# Altium PCB TEBF0808ASCII.PcbDoc (part 9 of 10)
Units mm, origin at the board's own origin, x right, y up, seen from the top; angles counter-clockwise.
Board outline 170 x 170 mm, 16 copper layers (L 01, L 02 G, L 03 S, L 04 G, L 05 S, L 06 G, L 07 P, L 08 P, L 09 P, L 10 P, L 11 G, L 12 S, L 13 G, L 14 S, L 15 G, L 16), stack 1.774 mm thick; 609 components, 869 nets, 3941 pads, 2358 vias.
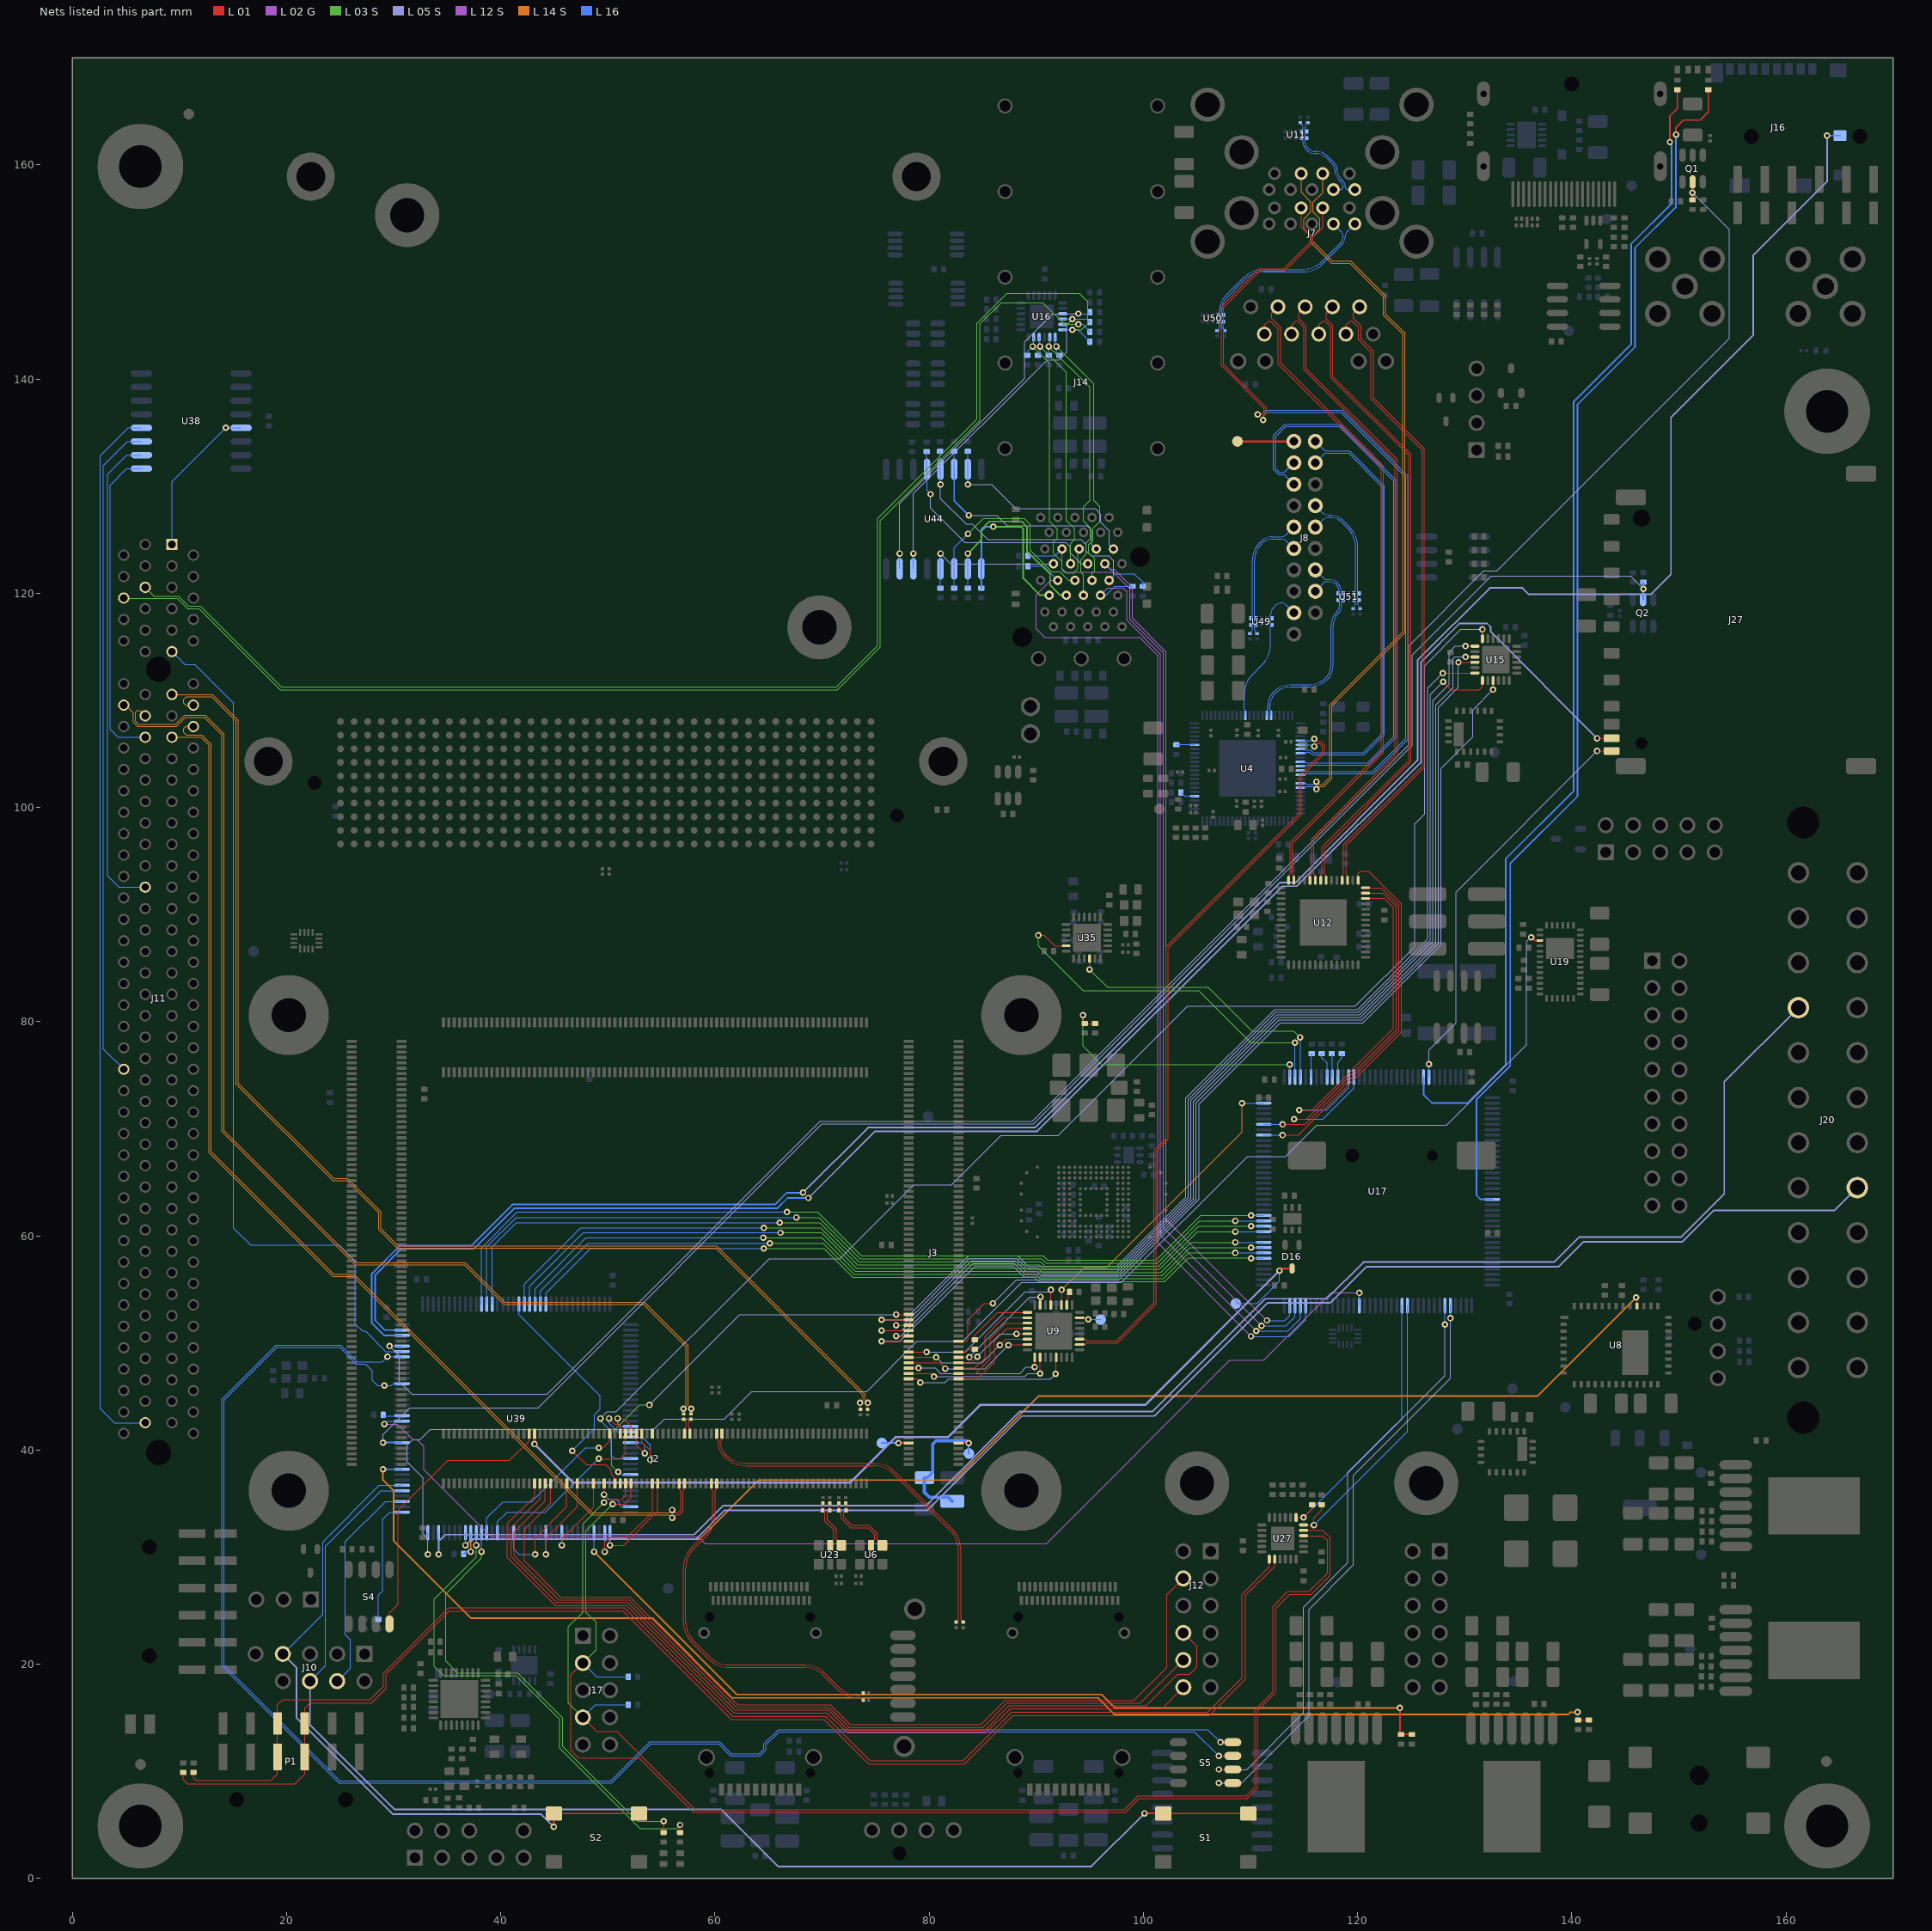
[diagram p19: the nets of this part, all layers, seen from the top]

## Via types
v1: diameter 0.6, hole 0.3, L 01 to L 16, 2358 vias

## Nets (pads, with @x,y where several pads share a name; then routed paths per layer and width w, separated by ;. In a path a pad name is that pad's centre, name@x,y a point inside that pad or via, vN(x,y) a via of type N, cw(c..) or ccw(c..) an arc to the next point about the centre after c; other vN are vias at no path point) (continued)
NetR201_2: R201.2 U4.39 | length 1.7
  L 16 w0.1: R201.2@103.075,105.845 103.13,105.9 104.725,105.9 U4.39@104.775,105.85
NetR202_2: R202.2 U4.27 | length 1.4
  L 16 w0.1: R202.2@103.495,101.4 103.845,101.05 U4.27@104.775,101.05
OCLK_EN: R181.1 R182.1 U17.74 | length 25.9
  L 01 w0.1: v1(94.35,80.6) 94.35,79.995 R181.1@94.525,79.82 R182.1@95.475,79.82
  L 03 S w0.1: v1(94.35,80.6) 94.35,77.725 96.085,75.99 v1(113.65,75.99)
  L 16 w0.1: U17.74@113.65,74.82 v1(113.65,75.99)
OSC0_N: C222.1 R172.1 U23.5 | length 4.5
  L 01 w0.1: R172.1@70.045,34.35 70.265,34.13 70.265,33.36 71.1,32.525 71.1,31.65 70.75,31.3 U23.5@70.75,31.1 ; R172.1@70.059,34.364 C222.1@70.059,35.048
OSC0_P: C221.1 R172.2 U23.4 | length 4.6
  L 01 w0.1: R172.2@70.705,34.35 70.485,34.13 70.485,33.451 71.32,32.616 71.32,31.655 71.8,31.175 U23.4@71.8,31.1 ; R172.2@70.709,34.354 C221.1@70.709,35.048
OSC1_N: C223.1 R134.1 U6.5 | length 6.4
  L 01 w0.1: C223.1@71.564,35.048 71.564,34.356 R134.1@71.57,34.35 71.79,34.13 71.79,33.61 72.645,32.755 74.259,32.755 74.925,32.089 74.925,31.65 74.575,31.3 U6.5@74.575,31.1
OSC1_P: C182.1 R134.2 U6.4 | length 6.5
  L 01 w0.1: R134.2@72.214,34.366 C182.1@72.214,35.048 ; R134.2@72.23,34.35 72.01,34.13 72.01,33.701 72.736,32.975 74.35,32.975 75.145,32.18 75.145,31.655 75.625,31.175 U6.4@75.625,31.1
PCI_REF_N: C94.1 J11.A14 | length 114.1
  L 01 w0.1: v1(73.546,44.4) 73.581,44.365 C94.1@73.581,43.802
  L 14 S w0.08: J11.A14@11.3,109.55 10.6,109.55 10.4,109.75 10.4,110.1 10.65,110.35 13,110.35 15.3,108.05 15.3,74.15 24.3,65.15 25.6,65.15 28.6,62.15 28.6,60.577 30.327,58.85 60.067,58.85 73.806,45.111 73.806,44.66 v1(73.546,44.4)
PCI_REF_P: C93.1 J11.A13 | length 114.1
  L 01 w0.1: C93.1@74.231,43.802 74.231,44.365 v1(74.266,44.4)
  L 14 S w0.08: J11.A13@9.3,110.55 13.083,110.55 15.5,108.133 15.5,74.233 24.383,65.35 25.683,65.35 28.8,62.233 28.8,60.66 30.41,59.05 60.15,59.05 74.006,45.194 74.006,44.66 v1(74.266,44.4)
PCI_RX_N: J2.70 J11.A17 | length 103.1
  L 01 w0.1: v1(56,33.68) 56.25,33.93 56.641,33.93 57.015,34.304 57.015,36.213 57.155,36.353 J2.70@57.155,36.868
  L 14 S w0.08: J11.A17@9.3,106.55 12.017,106.55 12.75,105.817 12.75,67.75 24.3,56.2 26.196,56.2 48.456,33.94 55.74,33.94 v1(56,33.68)
PCI_RX_P: J2.72 J11.A16 | length 103.1
  L 01 w0.1: v1(56,34.4) 56.25,34.15 56.55,34.15 56.795,34.395 56.795,36.213 56.655,36.353 J2.72@56.655,36.868
  L 14 S w0.08: J11.A16@11.3,107.55 10.6,107.55 10.4,107.35 10.4,107 10.65,106.75 12.1,106.75 12.95,105.9 12.95,67.833 24.383,56.4 26.279,56.4 48.539,34.14 55.74,34.14 v1(56,34.4)
PCI_SFP_EN: R155.2 R157.2 U39.76 | length 86.6
  L 01 w0.15: v1(123.945,15.92) 123.945,13.55 R155.2@124.05,13.445 R157.2@125.075,13.445
  L 14 S w0.15: v1(48.7,30.51) 62.035,17.175 96.075,17.175 97.33,15.92 v1(123.945,15.92)
  L 16 w0.1: v1(48.7,30.51) U39.76@48.7,32.28
PCI_TX_N: C70.2 J2.67 | length 1.5
  L 01 w0.1: J2.67@57.655,41.538 57.655,42.053 57.522,42.186 57.522,42.555 cw(c57.746,42.555) 57.588,42.713 C70.2@57.75,42.875
PCI_TX_P: C69.2 J2.69 | length 1.5
  L 01 w0.1: C69.2@57.075,42.873 57.239,42.709 cw(c57.085,42.555) 57.302,42.555 57.302,42.2 57.155,42.053 J2.69@57.155,41.538
PCIE_SCL: J11.B5 R120.2 U16.6 | length 126.3
  L 03 S w0.1: J11.B5@6.8,120.55 7.625,119.725 9.925,119.725 10.85,118.8 11.971,118.8 19.496,111.275 71.35,111.275 75.175,115.1 75.175,126.975 84.443,136.243 84.443,145.193 87.25,148 94,148 94.8,147.2 94.8,145.175 94.225,144.6 v1(93.37,144.6)
  L 16 w0.1: U16.6@92.46,144.6 v1(93.37,144.6) 93.885,144.6 R120.2@95.005,143.48
PCIE_SDA: J11.B6 R119.2 U16.5 | length 123.5
  L 03 S w0.1: J11.B6@4.8,119.55 4.825,119.525 9.8,119.525 10.775,118.55 11.85,118.55 19.425,110.975 71.425,110.975 75.425,114.975 75.425,126.8 84.744,136.119 84.744,145.144 86.725,147.125 90.6,147.125 92.625,145.1 v1(93.92,145.1)
  L 16 w0.1: U16.5@92.46,145.1 v1(93.92,145.1) 94.31,145.1 R119.2@95.005,144.405
PER_EN: R156.2 R163.2 U39.117 | length 128
  L 01 w0.1: v1(140.525,15.525) 140.525,14.84 R156.2@140.575,14.79 141.57,14.79 R163.2@141.575,14.795
  L 14 S w0.15: v1(28.995,38.2) 28.995,37.205 30,36.2 30,31.5 37.2,24.3 54.15,24.3 61.6,16.85 95.754,16.85 97.304,15.3 139.65,15.3 139.875,15.525 v1(140.525,15.525)
  L 16 w0.15: v1(28.995,38.2) U39.117@30.78,38.2
PERST: J11.A11 U39.139 | length 80.7
  L 16 w0.1: J11.A11@9.3,114.55 10.5,113.35 11.43,113.35 15.05,109.73 15.05,60.725 16.65,59.125 24.924,59.125 26.4,57.649 26.4,51.775 27.075,51.1 27.35,51.1 29.25,49.2 U39.139@30.78,49.2
PET0_N: C70.1 J11.B15 | length 106.6
  L 01 w0.1: C70.1@57.75,43.38 57.75,43.827 v1(57.775,43.852)
  L 14 S w0.08: J11.B15@6.8,108.55 6.3,109.05 6.075,109.05 5.9,108.875 5.9,108.033 6.158,107.775 9.617,107.775 10.467,108.625 12.408,108.625 14.175,106.858 14.175,69.825 26.5,57.5 36.658,57.5 40.358,53.8 53.423,53.8 57.515,49.708 57.515,44.112 v1(57.775,43.852)
PET0_P: C69.1 J11.B14 | length 106.6
  L 01 w0.1: v1(57.055,43.852) 57.075,43.832 C69.1@57.075,43.377
  L 14 S w0.08: J11.B14@4.8,109.55 4.975,109.55 5.7,108.825 5.7,107.95 6.075,107.575 9.7,107.575 10.55,108.425 12.325,108.425 13.975,106.775 13.975,69.742 26.417,57.3 36.575,57.3 40.275,53.6 53.34,53.6 57.315,49.625 57.315,44.112 v1(57.055,43.852)
PG_DDR: J2.114 U39.91 | length 11.7
  L 01 w0.1: v1(43.2,30.26) 43.2,31.75 46.155,34.705 J2.114@46.155,36.868
  L 16 w0.1: U39.91@41.2,32.28 41.2,30.75 41.69,30.26 42.96,30.26 v1@43.2,30.5
PG_FPD: J2.110 U39.85 | length 9.6
  L 01 w0.1: v1@44.2,30.51 44.2,31.75 47.155,34.705 J2.110@47.155,36.868
  L 16 w0.1: v1(44.2,30.26) U39.85@44.2,32.28
PG_GT_L: J2.97 U39.96 | length 16.5
  L 01 w0.1: v1(49.15,40.2) 49.55,40.2 50.155,40.805 J2.97@50.155,41.538
  L 16 w0.1: U39.96@38.7,32.28 38.7,33.65 40.2,35.15 42.85,35.15 47.9,40.2 v1(49.15,40.2)
PG_GT_R: J2.91 U39.94 | length 17.5
  L 01 w0.1: v1@49.125,39.175 51.15,39.175 51.655,39.68 J2.91@51.655,41.538
  L 16 w0.1: U39.94@39.7,32.28 39.7,33.3 40.6,34.2 44.15,34.2 v1(49.15,39.2)
PG_PL: J2.104 U39.82 | length 8.2
  L 01 w0.1: v1(45.7,31.11) 45.7,31.7 48.655,34.655 J2.104@48.655,36.868
  L 16 w0.1: v1(45.7,31.11) U39.82@45.7,32.28
PG_PLL_1V8: J2.80 U39.73 | length 9.5
  L 01 w0.1: v1(50.2,31.11) 51.465,31.11 54.655,34.3 J2.80@54.655,36.868
  L 16 w0.1: v1(50.2,31.11) U39.73@50.2,32.28
PG_PSGT: J2.82 U39.74 | length 10.9
  L 01 w0.1: v1(49.7,30.51) 49.7,31.4 50.1,31.8 51.75,31.8 54.155,34.205 J2.82@54.155,36.868
  L 16 w0.1: v1(49.7,30.51) U39.74@49.7,32.28
PHY_CONFIG: U12.15 U17.65 | length 34.8
  L 01 w0.1: v1(113,69.4) 114.45,69.4 124.092,79.042 124.092,90.958 121,94.05 120.261,94.05 120.05,93.839 U12.15@120.05,93.19
  L 16 w0.1: U17.65@111.23,69.4 v1(113,69.4)
PHY_LED0: U12.14 U17.67 | length 31.7
  L 01 w0.1: v1(113,70.4) 115.1,70.4 123.845,79.145 123.845,90.855 123.25,91.45 122.2,92.5 U12.14@120.74,92.5
  L 16 w0.1: U17.67@111.23,70.4 v1(113,70.4)
PHY_LED1: U12.13 U17.86 | length 35.7
  L 01 w0.1: v1(114.067,70.895) 115.245,70.895 123.597,79.247 123.597,90.753 123.075,91.275 122.35,92 U12.13@120.74,92
  L 16 w0.1: v1(114.067,70.895) 116.745,70.895 119.65,73.8 U17.86@119.65,74.82
PHY_LED2: U12.12 U17.85 | length 32.7
  L 01 w0.1: v1(114.546,71.73) 115.73,71.73 123.35,79.35 123.35,90.65 122.5,91.5 U12.12@120.74,91.5
  L 16 w0.1: v1(114.546,71.73) 117.055,71.73 119.15,73.825 U17.85@119.15,74.82
PHY_MDI0_N: J7.3 U12.27 | length 61.7
  L 01 w0.1: J7.3@112.56,146.733 111.996,146.169 111.996,145.628 112.82,144.804 112.82,141.491 120.631,133.681 122.42,131.891 122.42,105.134 113.91,96.624 113.91,93.8 114.05,93.66 U12.27@114.05,93.19
PHY_MDI0_P: J7.2 U12.28 | length 61.7
  L 01 w0.1: J7.2@111.29,144.193 111.29,145.018 111.68,145.408 111.876,145.408 112.6,144.684 112.6,141.4 120.475,133.525 122.2,131.8 122.2,105.225 113.69,96.715 113.69,93.8 113.55,93.66 U12.28@113.55,93.19
PHY_MDI1_N: J7.5 U12.23 | length 60.9
  L 01 w0.1: J7.5@115.1,146.733 114.5,146.133 114.5,145.635 115.205,144.931 115.205,140.956 123.728,132.433 123.728,104.778 115.91,96.96 115.91,93.8 116.05,93.66 U12.23@116.05,93.19
PHY_MDI1_P: J7.4 U12.24 | length 60.9
  L 01 w0.1: J7.4@113.83,144.193 113.83,145.018 114.22,145.408 114.416,145.408 114.985,144.839 114.985,140.865 123.508,132.342 123.508,104.869 115.69,97.051 115.69,93.8 115.55,93.66 U12.24@115.55,93.19
PHY_MDI2_N: J7.7 U12.21 | length 60.5
  L 01 w0.1: U12.21@117.05,93.19 117.05,93.66 116.91,93.8 116.91,96.185 124.983,104.258 124.983,132.953 117.695,140.241 117.695,144.98 117.076,145.599 117.076,146.169 J7.7@117.64,146.733
PHY_MDI2_P: J7.6 U12.22 | length 60.4
  L 01 w0.1: J7.6@116.37,144.193 116.37,145.018 116.76,145.408 116.956,145.408 117.475,144.889 117.475,140.15 124.763,132.862 124.763,104.349 116.69,96.276 116.69,93.8 116.55,93.66 U12.22@116.55,93.19
PHY_MDI3_N: J7.9 U12.17 | length 59.6
  L 01 w0.1: U12.17@119.05,93.19 119.05,93.66 118.91,93.8 118.91,96.435 126.221,103.746 126.221,133.465 121.47,138.216 121.47,142.572 120.305,143.738 120.305,144.939 119.616,145.628 119.616,146.169 J7.9@120.18,146.733
PHY_MDI3_P: J7.8 U12.18 | length 59.6
  L 01 w0.1: U12.18@118.55,93.19 118.55,93.66 118.69,93.8 118.69,96.526 126.001,103.837 126.001,133.374 121.25,138.125 121.25,142.481 120.065,143.666 120.065,144.839 119.496,145.408 119.3,145.408 118.91,145.018 J7.8@118.91,144.193
PLL_3V3: C1.2 J3.152 L1.1 TP15.1 | length 13.4
  L 01 w0.15: J3.152@82.74,40.653 v1(83.683,40.653)
  L 16 w0.15: v1(83.683,40.653) 83.683,39.692 TP15.1@83.7,39.675
  L 16 w0.3: L1.1@82.15,35.21 81.76,35.6 80,35.6 79.55,36.05 C1.2@79.55,37.4 79.8,37.4 80.325,37.925 80.325,40.55 80.65,40.875 83.461,40.875 v1(83.683,40.653)
PLL_FDEC: J2.94
PLL_FINC: J2.81
PLL_LOLN: J2.85 U39.58 | length 6.3
  L 01 w0.1: J2.85@53.155,41.538 53.155,40.745 53.95,39.95 v1(53.95,39.1)
  L 16 w0.1: U39.58@52.12,41.2 53.2,41.2 53.95,40.45 v1(53.95,39.1)
PLL_RST: J2.89 U39.56 | length 4
  L 01 w0.1: v1(50.9,42.95) 51.45,42.95 52.155,42.245 J2.89@52.155,41.538
  L 16 w0.1: v1(50.9,42.95) 50.9,42.5 51.2,42.2 U39.56@52.12,42.2
PLL_SCL: J2.90 J17.3 R136.1 U27.11 | length 131
  L 01 w0.1: J17.3@47.655,20.115 46.55,19.01 46.55,11.95 47.25,11.25 52.925,11.25 57.975,6.2 98.325,6.2 99.6,7.475 109.693,7.475 110.65,8.432 110.65,15.657 112.325,17.332 112.325,25.2 113.65,26.525 115.675,26.525 117.425,28.275 117.425,31.8 116.725,32.5 U27.11@114.95,32.5 ; v1(50.446,34.946) 51.554,34.946 52.155,35.548 J2.90@52.155,36.868
  L 03 S w0.1: J17.3@47.655,20.115 48.9,21.36 48.9,23.9 47.95,24.85 47.95,32.45 v1(50.446,34.946)
  L 16 w0.1: J17.3@47.655,20.115 48.945,18.825 R136.1@51.905,18.825
PLL_SDA: J2.92 J17.7 R135.1 U27.10 | length 126.7
  L 01 w0.1: J17.7@47.655,15.035 48.965,13.725 50.85,13.725 58.15,6.425 98.232,6.425 99.507,7.7 109.6,7.7 110.425,8.525 110.425,15.75 112.1,17.425 112.1,25.418 113.482,26.8 115.475,26.8 117.175,28.5 117.175,31.55 116.725,32 U27.10@114.95,32 ; v1(49.65,35.1) 49.95,35.4 51.3,35.4 51.655,35.755 J2.92@51.655,36.868
  L 03 S w0.1: J17.7@47.655,15.035 46.3,16.39 46.3,23.5 47.65,24.85 47.65,33.1 v1(49.65,35.1)
  L 16 w0.1: J17.7@47.655,15.035 48.845,16.225 R135.1@51.9,16.225
PLL_SEL0: J2.93 U39.57 | length 4.8
  L 01 w0.1: v1(50.1,42.95) 50.65,42.4 50.95,42.4 51.155,42.195 J2.93@51.155,41.538
  L 16 w0.1: v1(50.1,42.95) 50.1,42.5 50.9,41.7 U39.57@52.12,41.7
PLL_SEL1: J2.87 U39.59 | length 4.4
  L 01 w0.1: J2.87@52.655,41.538 52.655,40.495 v1(53.45,39.7)
  L 16 w0.1: U39.59@52.12,40.7 53.2,40.7 53.45,40.45 v1(53.45,39.7)
PMOD_SCL: P1.3 P1.9 R144.2 U27.2 | length 132.6
  L 01 w0.1: R144.2@10.35,9.905 10.35,9.25 10.75,8.85 20.8,8.85 21.7,9.75 P1.9@21.7,11.35 P1.3@21.7,14.48 21.7,15.9 22.182,16.382 27.932,16.382 29.3,17.75 29.3,19.05 35.2,24.95 51.4,24.95 61.519,14.832 70.188,14.832 74.337,10.682 83.303,10.682 87.846,15.225 106.17,15.225 109.55,18.605 109.55,26.45 112.25,29.15 U27.2@112.25,29.8
PMOD_SDA: P1.4 P1.10 R140.2 U27.1 | length 130.9
  L 01 w0.1: R140.2@11.3,9.905 11.3,9.4 11.55,9.15 18.55,9.15 19.16,9.76 P1.10@19.16,11.35 P1.4@19.16,14.48 19.16,16.21 19.65,16.7 27.8,16.7 29.051,17.951 29.051,19.151 35.168,25.268 51.532,25.268 61.65,15.15 70.32,15.15 74.469,11 83.171,11 87.714,15.543 105.993,15.543 109.2,18.75 109.2,26.525 111.75,29.075 U27.1@111.75,29.8
POK_1V8: U19.28 U39.107 | length 144.1
  L 01 w0.15: v1@136.2,87.775 136.35,87.775 136.55,87.575 U19.28@137,87.575
  L 05 S w0.1: v1(33.2,30.26) 33.2,31.725 32.75,32.175 32.75,37.4 31.275,38.875 31.275,40.45 31.775,40.95 32.45,40.95 33.42,41.92 54.295,41.92 55.275,42.9 60.85,42.9 63.425,45.475 74.175,45.475 78.85,50.15 83.125,50.15 88.625,55.65 97.95,55.65 109.725,67.425 113.25,67.425 116.175,70.35 128.3,70.35 135.775,77.825 135.775,87.45 v1(136.2,87.875)
  L 16 w0.1: v1(33.2,30.26) U39.107@33.2,32.28
POK_FMC: R81.2 U8.35 U39.99 | length 122.5
  L 01 w0.15: v1(146.001,54.251) 146.076,54.176 U8.35@146.076,53.441
  L 14 S w0.15: v1(37.2,30.51) 37.2,31.425 37.45,31.675 58.55,31.675 64.075,37.2 82.375,37.2 90.225,45.05 136.8,45.05 v1(146.001,54.251)
  L 16 w0.1: v1(37.2,30.51) U39.99@37.2,32.28
  L 16 w0.15: R81.2@36.545,30.3 36.755,30.51 v1(37.2,30.51)
PROG_B: J2.100 U39.71 | length 4.1
  L 01 w0.1: v1(49.65,35.85) 49.655,35.855 J2.100@49.655,36.868
  L 16 w0.1: v1(49.65,35.85) 50.1,35.4 50.8,35.4 51.075,35.125 51.075,34.875 51.25,34.7 U39.71@52.12,34.7
PRSNT1: J11.A1 U38.5 | length 14.4
  L 01 w0.1: v1@14.3,135.42 v1(14.32,135.44)
  L 16 w0.1: J11.A1@9.3,124.55 9.3,130.42 v1(14.32,135.44) U38.5@15.75,135.44
PRSNT2: J11.B17 U38.9 | length 29.9
  L 16 w0.1: U38.9@6.45,131.63 5.08,131.63 3.525,130.075 3.525,107.3 4.275,106.55 J11.B17@6.8,106.55
PRSNT3: J11.B31 U38.10 | length 45.4
  L 16 w0.1: U38.10@6.45,132.9 5.075,132.9 3.275,131.1 3.275,93.6 4.325,92.55 J11.B31@6.8,92.55
PRSNT4: J11.B48 U38.11 | length 61.6
  L 16 w0.1: J11.B48@4.8,75.55 2.9,77.45 2.9,131.925 5.145,134.17 U38.11@6.45,134.17
PRSNT5: J11.B81 U38.12 | length 98.6
  L 16 w0.1: U38.12@6.45,135.44 5.215,135.44 2.625,132.85 2.625,43.85 3.925,42.55 J11.B81@6.8,42.55
PSBATT: D16.3 J2.125 TP2.1 | length 87.4
  L 01 w0.2: v1(43.15,40.55) 43.155,40.555 J2.125@43.155,41.538 ; v1(112.7,56.75) 112.9,56.95 D16.3@113.875,56.95
  L 05 S w0.2: v1(43.15,40.55) 46.75,36.95 72.6,36.95 76.85,41.2 81.75,41.2 84.75,44.2 100.15,44.2 v1(112.7,56.75)
  L 16 w0.1: TP2.1@108.625,53.675 110.6,53.675 112.7,55.775 v1(112.7,56.75)
PSON: J20.16 U39.105 | length 156.9
  L 05 S w0.15: v1(34.2,30.26) 34.2,31.475 34.825,32.1 58.049,32.1 60.749,34.8 79.674,34.8 88.474,43.6 100.849,43.6 111.374,54.125 117.125,54.125 120.55,57.55 138.35,57.55 140.675,59.875 150.175,59.875 154.225,63.925 154.225,74.375 J20.16@161.15,81.3
  L 16 w0.1: v1(34.2,30.26) U39.105@34.2,32.28
PUDC_B: J2.127 S4.8 | length 26.6
  L 01 w0.1: S4.8@29.605,23.76 29.605,24.805 30.42,25.62 30.42,34.37 35.075,39.025 40.825,39.025 42.655,40.855 J2.127@42.655,41.538
PWR_BTN: J10.6 S1.2 U39.113 | length 121.9
  L 01 w0.15: v1(100.1,6.075) 101.83,6.075 S1.2@101.845,6.06 S1.2@109.795,6.06
  L 05 S w0.15: J10.6@21.69,18.42 22.19,17.92 22.19,14.31 30.05,6.45 60.55,6.45 65.88,1.12 95.145,1.12 v1(100.1,6.075)
  L 16 w0.1: J10.6@22.19,18.42 23.625,19.855 23.625,31.003 28.822,36.2 U39.113@30.78,36.2
PWRLED_N: J10.4 U39.111 | length 20.6
  L 16 w0.1: J10.4@24.73,18.42 25.95,19.64 25.95,22.275 25.475,22.75 25.475,31.439 29.236,35.2 U39.111@30.78,35.2
PWRLED_P: R60.1 U39.109 | length 11.6
  L 16 w0.1: R60.1@28.575,24.195 28.575,26.45 28.975,26.85 28.975,33.525 29.65,34.2 U39.109@30.78,34.2
PWROK: J20.8 U39.100 | length 145
  L 05 S w0.15: v1(36.7,31.11) 37.265,31.675 58.225,31.675 60.925,34.375 79.85,34.375 88.65,43.175 101.025,43.175 111.6,53.75 117.475,53.75 120.85,57.125 138.775,57.125 141.1,59.45 150.325,59.45 153.25,62.375 164.525,62.375 J20.8@166.65,64.5
  L 16 w0.1: v1(36.7,31.11) U39.100@36.7,32.28
RST_BTN: J10.7 S2.2 U39.114 | length 65.5
  L 01 w0.15: v1(44.955,4.825) S2.2@44.955,6.06 S2.2@52.905,6.06
  L 05 S w0.15: J10.7@19.65,20.96 20.925,19.685 20.925,15.025 29.95,6 43.78,6 v1(44.955,4.825)
  L 16 w0.1: J10.7@19.65,20.96 23.375,24.685 23.375,31.425 28.65,36.7 U39.114@30.78,36.7
S_1: R189.1 U39.127 | length 1.8
  L 16 w0.1: R189.1@29.02,43.175 30.755,43.175 U39.127@30.78,43.2
SATA_RX_N: C202.1 J2.58 | length 33.5
  L 01 w0.1: J2.58@60.155,36.868 60.155,36.353 60.015,36.213 60.015,33.922 cw(c57.255,33.922) 59.207,31.971 58.019,30.783 ccw(c59.815,28.987) 57.275,28.987 57.275,23.952 ccw(c59.815,23.952) 58.019,22.156 59.506,20.669 ccw(c61.302,22.465) 61.302,19.925 68.343,19.925 cw(c68.343,17.165) 70.295,19.117 71.582,17.829 ccw(c73.378,19.625) 73.378,17.085 73.53,17.085 ccw(c73.53,17.333) 73.705,17.157 C202.1@73.848,17.3
SATA_RX_P: C203.1 J2.60 | length 33.9
  L 01 w0.1: J2.60@59.655,36.868 59.655,36.353 59.795,36.213 59.795,33.922 cw(c57.255,33.922) 59.051,32.126 57.863,30.938 ccw(c59.815,28.987) 57.055,28.987 57.055,23.952 ccw(c59.815,23.952) 57.863,22 59.35,20.513 ccw(c61.302,22.465) 61.302,19.705 68.343,19.705 cw(c68.343,17.165) 70.139,18.961 71.427,17.673 ccw(c73.378,19.625) 73.378,16.865 73.53,16.865 cw(c73.53,16.617) 73.705,16.792 C203.1@73.848,16.65
SATA_TX_N: C200.1 J2.55 | length 34.9
  L 01 w0.1: J2.55@60.655,41.538 60.655,41.023 60.515,40.883 60.515,40.604 ccw(c61.829,40.604) 60.9,39.675 61.081,39.494 ccw(c62.877,41.29) 62.877,38.75 74.843,38.75 cw(c74.843,35.99) 76.795,37.942 82.152,32.585 cw(c80.2,30.633) 82.96,30.633 82.96,24.25 ccw(c83.22,24.25) 83.036,24.066 C200.1@83.175,23.927
SATA_TX_P: C197.1 J2.57 | length 34.9
  L 01 w0.1: J2.57@60.155,41.538 60.155,41.023 60.295,40.883 60.295,40.604 ccw(c61.829,40.604) 60.744,39.519 60.925,39.338 ccw(c62.877,41.29) 62.877,38.53 74.843,38.53 cw(c74.843,35.99) 76.639,37.786 81.996,32.429 cw(c80.2,30.633) 82.74,30.633 82.74,24.25 cw(c82.48,24.25) 82.664,24.066 C197.1@82.525,23.927
SC2_SW1: S5.8 U39.133 | length 148
  L 01 w0.1: v1(29.126,46.027) v1@29.126,46.149 ; v1(107.19,12.71) S5.8@108.5,12.71
  L 16 w0.1: U39.133@30.78,46.2 29.963,46.2 29.79,46.027 v1(29.126,46.027) 28.473,46.027 28,46.5 28,47.4 27.375,48.025 26.5,48.025 24.95,49.575 19.1,49.575 14.175,44.65 14.175,19.9 24.975,9.1 50.267,9.1 53.917,12.75 60.425,12.75 61.525,11.65 64.125,11.65 64.575,12.1 64.575,12.558 65.917,13.9 106,13.9 v1(107.19,12.71)
SC2_SW2: S5.7 U39.138 | length 147.6
  L 01 w0.1: v1(107.03,11.445) S5.7@108.34,11.445
  L 16 w0.1: U39.138@30.78,48.7 v1(29.425,48.7) 28.95,48.225 26.583,48.225 25.033,49.775 19.017,49.775 13.975,44.733 13.975,19.817 24.892,8.9 50.35,8.9 54,12.55 60.342,12.55 61.442,11.45 64.208,11.45 64.775,12.017 64.775,12.475 66,13.7 104.775,13.7 v1(107.03,11.445)
SC2_SW3: S5.6 U17.6 | length 54.9
  L 01 w0.1: v1(107.03,10.175) S5.6@108.34,10.175
  L 05 S w0.1: v1(107.03,10.175) 109.65,10.175 114.95,15.475 114.95,25.336 119.1,29.486 119.1,37.9 128.15,46.95 v1(128.15,51.71)
  L 16 w0.1: v1(128.15,51.71) U17.6@128.15,53.48
SC2_SW4: S5.5 U17.5 | length 56.1
  L 01 w0.1: v1(107.03,8.905) S5.5@108.34,8.905
  L 05 S w0.1: v1(107.03,8.905) 109.155,8.905 115.45,15.2 115.45,25.129 119.6,29.279 119.6,37.65 128.65,46.7 v1(128.65,52.31)
  L 16 w0.1: v1(128.65,52.31) U17.5@128.65,53.48
SC_CLK0: U17.76 U35.22 | length 27
  L 01 w0.1: v1(94.975,84.875) U35.22@94.975,85.885
  L 03 S w0.1: v1(94.975,84.875) 96.65,83.2 106.05,83.2 110.125,79.125 114.045,79.125 v1(114.635,78.535)
  L 16 w0.1: v1(114.635,78.535) 114.65,78.52 U17.76@114.65,74.82
SC_CLK1: U17.75 U35.17 | length 34.9
  L 01 w0.1: v1(90.175,88.05) 90.725,88.05 91.7,87.075 U35.17@92.785,87.075